# Altium PCB PCB2.PcbDoc (part 2 of 2)
Units mm, origin at the board's own origin, x right, y up, seen from the top; angles counter-clockwise.
Board outline 155 x 74.42 mm, 2 copper layers (Top Layer, Bottom Layer); 203 components, 228 nets, 626 pads, 108 vias.
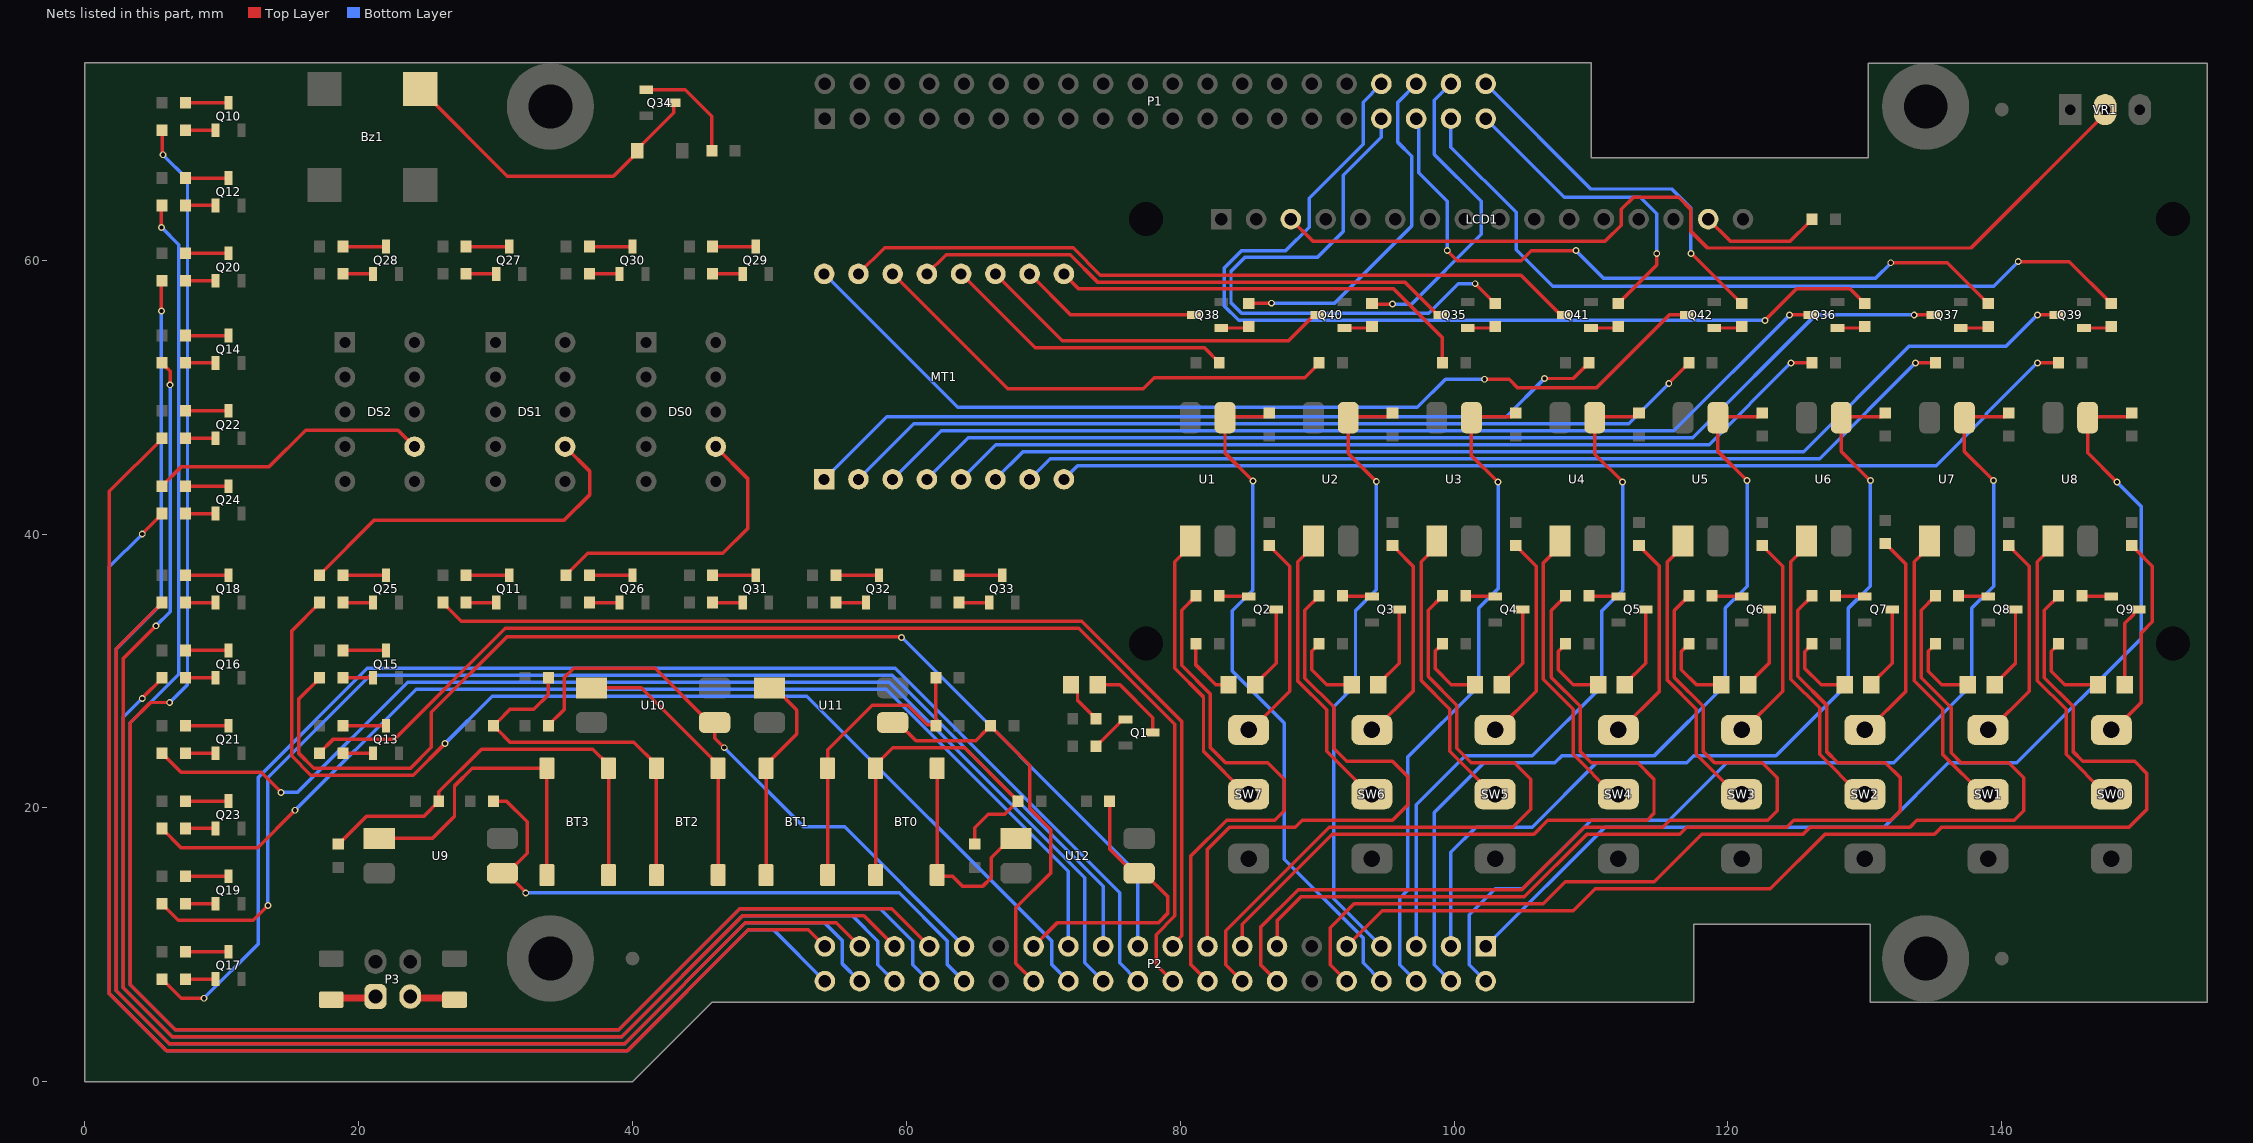
[diagram p2: the nets of this part, all layers, seen from the top]

## Via types
v1: diameter 0.5, hole 0.3, Top Layer to Bottom Layer, 84 vias
v2: diameter 0.8, hole 0.5, Top Layer to Bottom Layer, 21 vias
v3: diameter 0.6, hole 0.4, Top Layer to Bottom Layer, 3 vias

## Nets (pads, with @x,y where several pads share a name; then routed paths per layer and width w, separated by ;. In a path a pad name is that pad's centre, name@x,y a point inside that pad or via, vN(x,y) a via of type N, cw(c..) or ccw(c..) an arc to the next point about the centre after c; other vN are vias at no path point) (continued)
GPIO_0-28: P1.33 R101.1 | length 42.2
  Top Layer w0.254: v1(101.54,58.285) 102.975,56.85 R101.1@103,56.85
  Bottom Layer w0.254: P1.33@94.69,70.34 94.69,68.99 91.9,66.2 91.9,62.1 90,60.2 84.7,60.2 83.708,59.208 83.708,56.892 84.476,56.124 98.142,56.124 100.303,58.285 v1(101.54,58.285)
GPIO_0-29: P1.34 R102.1 | length 71.5
  Top Layer w0.254: v1(122.7,55.6) 125,57.9 128.925,57.9 129.975,56.85 R102.1@130,56.85
  Bottom Layer w0.254: P1.34@94.69,72.88 93.357,71.547 93.357,68.457 89.413,64.513 89.413,62.413 87.708,60.708 84.49,60.708 83.2,59.418 83.2,56.682 84.266,55.616 122.684,55.616 v1(122.7,55.6)
GPIO_0-30: P1.35 R103.1 | length 53.2
  Top Layer w0.254: v1(99.5,60.7) 100.235,59.965 104.9,59.965 105.635,60.7 v1(108.9,60.7) ; v1(131.886,59.813) 136.012,59.813 138.975,56.85 R103.1@139,56.85
  Bottom Layer w0.254: P1.35@97.23,70.34 97.415,70.155 97.415,66.385 99.5,64.3 v1(99.5,60.7) ; v1(108.9,60.7) 110.9,58.7 130.8,58.7 131.886,59.786 v1(131.886,59.813)
GPIO_0-31: P1.36 R104.1 | length 25.6
  Top Layer w0.254: R104.1@85,56.85 86.646,56.85 v1(86.657,56.861)
  Bottom Layer w0.254: v1(86.657,56.861) 91.268,56.861 96.907,62.5 96.907,67.593 95.9,68.6 95.9,71.55 P1.36@97.23,72.88
GPIO_0-32: P1.37 R105.1 | length 58.1
  Top Layer w0.254: v1(141.2,59.9) 144.925,59.9 147.975,56.85 R105.1@148,56.85
  Bottom Layer w0.254: P1.37@99.77,70.34 99.77,68.257 104.527,63.5 104.527,60.773 107.2,58.1 139.4,58.1 v1(141.2,59.9)
GPIO_0-33: P1.38 R106.1 | length 23
  Top Layer w0.254: R106.1@94,56.85 94.05,56.8 v1(95.5,56.8)
  Bottom Layer w0.254: v1(95.5,56.8) 96.9,56.8 101.987,61.887 101.987,64.299 98.563,67.723 98.563,71.673 P1.38@99.77,72.88
GPIO_0-34: P1.39 R107.1 | length 23.1
  Top Layer w0.254: R107.1@112,56.85 112.025,56.85 112.298,57.123 112.298,57.148 114.8,59.65 v1(114.8,60.5)
  Bottom Layer w0.254: P1.39@102.31,70.34 108.05,64.6 113.587,64.6 114.8,63.387 v1(114.8,60.5)
GPIO_0-35: P1.40 R108.1 | length 27.3
  Top Layer w0.254: v1(117.3,60.5) 117.325,60.5 120.975,56.85 R108.1@121,56.85
  Bottom Layer w0.254: P1.40@102.31,72.88 109.99,65.2 115.9,65.2 117.3,63.8 v1(117.3,60.5)
GPIO_1-0: P2.1 R34.2 U8.3 | length 78.3
  Top Layer w0.254: v1(148.4,43.8) 146.27,45.93 U8.3@146.27,48.5 146.347,48.577 149.227,48.577 R34.2@149.5,48.85
  Bottom Layer w0.254: P2.1@102.31,9.89 111.02,18.6 131.4,18.6 136.1,23.3 141.1,23.3 150.2,32.4 150.2,42 v1(148.4,43.8)
GPIO_1-1: P2.2 R33.2 U7.3 | length 73.4
  Top Layer w0.254: v1(139.4,43.9) 137.27,46.03 U7.3@137.27,48.5 137.347,48.577 140.227,48.577 R33.2@140.5,48.85
  Bottom Layer w0.254: P2.2@102.31,7.35 101.103,8.557 101.103,12.203 103,14.1 105,14.1 110.008,19.108 115.708,19.108 119.9,23.3 132.1,23.3 137.8,29 137.8,34.6 139.4,36.2 v1(139.4,43.9)
GPIO_1-2: P2.3 R30.2 U6.3 | length 65.3
  Top Layer w0.254: v1(130.4,43.9) 128.27,46.03 U6.3@128.27,48.5 128.347,48.577 131.227,48.577 R30.2@131.5,48.85
  Bottom Layer w0.254: P2.3@99.77,9.89 99.77,16.77 101.6,18.6 105.711,18.6 110.398,23.287 116.987,23.287 117.508,23.808 123.508,23.808 128.8,29.1 128.8,34.6 130.4,36.2 v1(130.4,43.9)
GPIO_1-3: P2.4 R29.2 U5.3 | length 62.3
  Top Layer w0.254: v1(121.4,43.9) 119.27,46.03 U5.3@119.27,48.5 119.347,48.577 122.227,48.577 R29.2@122.5,48.85
  Bottom Layer w0.254: P2.4@99.77,7.35 98.563,8.557 98.563,19.663 102.187,23.287 107.349,23.287 107.857,23.795 114.595,23.795 119.8,29 119.8,34.6 121.4,36.2 v1(121.4,43.9)
GPIO_1-4: P2.5 R26.2 U4.3 | length 51.9
  Top Layer w0.254: v1(112.303,43.811) 110.27,45.844 U4.3@110.27,48.5 110.347,48.577 113.227,48.577 R26.2@113.5,48.85
  Bottom Layer w0.254: P2.5@97.23,9.89 97.23,20.23 100.808,23.808 105.708,23.808 110.8,28.9 110.8,34.4 112.303,35.903 v1(112.303,43.811)
GPIO_1-5: P2.6 R25.2 U3.3 | length 48.8
  Top Layer w0.254: v1(103.21,43.811) 103.189,43.811 101.27,45.73 U3.3@101.27,48.5 101.347,48.577 104.227,48.577 R25.2@104.5,48.85
  Bottom Layer w0.254: P2.6@97.23,7.35 96.023,8.557 96.023,13.405 96.6,13.982 96.6,23.7 101.8,28.9 101.8,34.6 103.21,36.01 v1(103.21,43.811)
GPIO_1-6: P2.7 R22.2 U2.3 | length 45.6
  Top Layer w0.254: v1(94.32,43.836) 92.27,45.886 U2.3@92.27,48.5 92.347,48.577 95.227,48.577 R22.2@95.5,48.85
  Bottom Layer w0.254: v1(94.32,43.836) 94.32,35.92 92.8,34.4 92.8,29 91.2,27.4 91.2,13.38 P2.7@94.69,9.89
GPIO_1-7: P2.8 R21.2 U1.3 | length 50.5
  Top Layer w0.254: v1(85.303,43.887) 83.27,45.92 U1.3@83.27,48.5 83.347,48.577 86.227,48.577 R21.2@86.5,48.85
  Bottom Layer w0.254: v1(85.303,43.887) 85.303,35.903 83.8,34.4 83.8,30 87.6,26.2 87.6,16.262 93.357,10.505 93.357,8.683 P2.8@94.69,7.35
GPIO_1-8: P2.9 R18.1 | length 83.9
  Top Layer w0.254: P2.9@92.15,9.89 94.76,12.5 108.7,12.5 110.3,14.1 123.1,14.1 127.084,18.084 135.084,18.084 135.592,18.592 149.292,18.592 150.6,19.9 150.6,22.5 149.7,23.4 145.918,23.4 145.2,24.118 145.2,27.418 143.108,29.51 143.108,34.433 144.15,35.475 R18.1@144.15,35.5
GPIO_1-9: P2.10 R17.1 | length 79.9
  Top Layer w0.254: P2.10@92.15,7.35 90.943,8.557 90.943,11.261 92.69,13.008 106.508,13.008 108.108,14.608 114.608,14.608 118.084,18.084 125.484,18.084 125.992,18.592 133.292,18.592 133.8,19.1 140.9,19.1 141.6,19.8 141.6,22.2 140.5,23.3 137.018,23.3 136.3,24.018 136.3,27.318 134.108,29.51 134.108,34.433 135.15,35.475 R17.1@135.15,35.5
GPIO_1-10: P2.13 R14.1 | length 72
  Top Layer w0.254: P2.13@87.07,9.89 87.07,11.77 88.816,13.516 105.134,13.516 109.702,18.084 116.484,18.084 116.992,18.592 124.292,18.592 124.8,19.1 131.9,19.1 132.6,19.8 132.6,22.2 131.5,23.3 128.018,23.3 127.2,24.118 127.2,27.518 125.108,29.61 125.108,34.433 126.15,35.475 R14.1@126.15,35.5
GPIO_1-11: P2.14 R13.1 | length 67
  Top Layer w0.254: P2.14@87.07,7.35 85.863,8.557 85.863,11.281 88.606,14.024 104.924,14.024 109.492,18.592 115.242,18.592 115.75,19.1 122.9,19.1 123.6,19.8 123.6,22.2 122.5,23.3 119.018,23.3 118.2,24.118 118.2,27.418 116.092,29.526 116.092,34.417 117.15,35.475 R13.1@117.15,35.5
GPIO_1-12: P2.15 R10.1 | length 56.5
  Top Layer w0.254: P2.15@84.53,9.89 84.53,11.512 91.102,18.084 105.834,18.084 106.85,19.1 114.1,19.1 114.6,19.6 114.6,22.1 113.4,23.3 110.018,23.3 109.2,24.118 109.2,27.418 107.092,29.526 107.092,34.417 108.15,35.475 R10.1@108.15,35.5
GPIO_1-13: P2.16 R9.1 | length 51.1
  Top Layer w0.254: P2.16@84.53,7.35 83.323,8.557 83.323,11.023 90.892,18.592 104.292,18.592 105.6,19.9 105.6,22.1 104.4,23.3 101.247,23.3 100.2,24.347 100.2,27.5 98.1,29.6 98.1,34.425 99.15,35.475 R9.1@99.15,35.5
GPIO_1-14: P2.17 R6.1 | length 43.8
  Top Layer w0.254: P2.17@81.99,9.89 81.99,16.99 83.6,18.6 88.4,18.6 88.9,19.1 95.5,19.1 96.6,20.2 96.6,22.3 95.5,23.4 92.147,23.4 91.2,24.347 91.2,27.377 89.1,29.477 89.1,34.425 90.15,35.475 R6.1@90.15,35.5
GPIO_1-15: P2.18 R5.1 | length 38.9
  Top Layer w0.254: R5.1@81.15,35.5 81.15,35.475 80.108,34.433 80.108,30.41 82.208,28.31 82.208,24.4 83.308,23.3 86.4,23.3 87.6,22.1 87.6,19.8 86.908,19.108 83.39,19.108 80.783,16.501 80.783,8.557 P2.18@81.99,7.35
GPIO_1-16: P2.19 R37.1 | length 74.3
  Top Layer w0.254: R37.1@26.15,35 26.15,34.975 27.5,33.625 72.812,33.625 80.121,26.316 80.121,10.661 79.45,9.989 P2.19@79.45,9.89
GPIO_1-17: P2.20 R41.1 | length 89
  Top Layer w0.254: R41.1@17.15,24 17.15,24.025 18.125,25 22.6,25 30.717,33.117 72.601,33.117 79.613,26.105 79.613,12.113 78.243,10.743 78.243,8.557 P2.20@79.45,7.35
GPIO_1-18: P2.21 R45.1 | length 85.8
  Top Layer w0.254: R45.1@17.15,29.5 17.15,29.475 15.608,27.933 15.608,24.01 16.71,22.908 23.79,22.908 25.3,24.418 25.3,26.982 30.805,32.486 59.615,32.486 v1(59.649,32.453)
  Bottom Layer w0.254: v1(59.649,32.453) 76.91,15.192 P2.21@76.91,9.89
GPIO_1-19: P2.22 R49.1 | length 101.4
  Top Layer w0.254: R49.1@5.65,7.5 7.05,6.1 v1(8.7,6.1)
  Bottom Layer w0.254: v1(8.7,6.1) 12.684,10.084 12.684,22.246 20.638,30.2 59.174,30.2 75.577,13.797 75.577,8.683 P2.22@76.91,7.35
GPIO_1-20: P2.23 R53.1 | length 92.9
  Top Layer w0.254: R53.1@5.65,13 5.65,12.975 6.825,11.8 12.3,11.8 13.37,12.87 v1(13.37,12.873)
  Bottom Layer w0.254: v1(13.37,12.873) 13.37,22.213 20.849,29.692 58.963,29.692 74.37,14.285 P2.23@74.37,9.89
GPIO_1-21: P2.24 R57.1 | length 86
  Top Layer w0.254: R57.1@5.65,24 5.65,23.975 7.026,22.599 12.89,22.599 14.335,21.154 v1(14.335,21.128)
  Bottom Layer w0.254: v1(14.335,21.128) 15.528,21.128 23.584,29.184 58.753,29.184 73.037,14.9 73.037,8.683 P2.24@74.37,7.35
GPIO_1-22: P2.25 R61.1 | length 82.6
  Top Layer w0.254: R61.1@5.65,18.5 5.65,18.475 7.025,17.1 12.618,17.1 v1(15.351,19.833)
  Bottom Layer w0.254: v1(15.351,19.833) 24.194,28.676 58.542,28.676 71.83,15.388 P2.25@71.83,9.89
GPIO_1-23: P2.26 R65.1 | length 81.4
  Top Layer w0.254: R65.1@17.15,35 17.15,34.975 15.1,32.925 15.1,23.8 16.5,22.4 24,22.4 v1(26.308,24.708)
  Bottom Layer w0.254: v1(26.308,24.708) 29.768,28.168 52.719,28.168 70.6,10.287 70.6,8.58 P2.26@71.83,7.35
GPIO_1-24: P2.27 R92.2 U12.3 | length 21.2
  Top Layer w0.254: P2.27@69.29,9.89 71,11.6 78.382,11.6 79.105,12.324 79.105,13.506 77.381,15.23 U12.3@77,15.23 76.619,15.23 74.85,16.999 R92.2@74.85,20.5
GPIO_1-25: P2.28 R90.2 U11.3 | length 30.2
  Top Layer w0.254: U11.3@59,26.23 59.381,26.23 60.703,24.908 65.058,24.908 65.852,25.702 65.877,25.702 R90.2@66.15,25.975 ; R90.2@66.15,26 R90.2@66.15,25.975 ; P2.28@69.29,7.35 68,8.64 68,12.7 70.545,15.245 70.545,18.411 69,19.956 69,23.125 R90.2@66.15,25.975
GPIO_1-26: P2.31 R88.2 U10.3 | length 42.6
  Top Layer w0.254: R88.2@33.85,26 33.85,26.025 35,27.175 35,29.5 35.7,30.2 41.649,30.2 45.619,26.23 U10.3@46,26.23 46,25.1 v1(46.7,24.4)
  Bottom Layer w0.254: v1(46.7,24.4) 52.486,18.614 55.486,18.614 P2.31@64.21,9.89
GPIO_1-27: P2.32 R86.2 U9.3 | length 45.5
  Top Layer w0.254: R86.2@29.85,20.5 30.8,20.5 32.3,19 32.3,16.7 30.83,15.23 U9.3@30.826,15.23 ; U9.3@30.5,15.23 U9.3@30.826,15.23 ; v1(32.2,13.8) 32.2,13.856 U9.3@30.826,15.23
  Bottom Layer w0.254: v1(32.2,13.8) 59.467,13.8 63,10.267 63,8.56 P2.32@64.21,7.35
GPIO_1-28: P2.33 R35.1 | length 130.4
  Top Layer w0.254: R35.1@5.65,69.5 5.65,67.817 5.7,67.767 v1(5.7,67.7) ; v1(6.2,27.7) 4.8,27.7 3.324,26.224 3.324,7.076 6.6,3.8 39,3.8 47.824,12.624 58.936,12.624 P2.33@61.67,9.89
  Bottom Layer w0.254: v1(5.7,67.7) 7.5,65.9 ; v1(6.2,27.7) 7.5,29 7.5,65.9 ; 7.5,65.7 7.5,65.9
GPIO_1-29: P2.34 R38.1 | length 125.5
  Top Layer w0.254: v1(5.6,62.4) 5.6,63.95 R38.1@5.65,64
  Bottom Layer w0.254: v1(5.6,62.4) 6.862,61.138 6.862,29.77 3.324,26.232 3.324,7.076 6.6,3.8 39,3.8 47.824,12.624 58.103,12.624 60.463,10.264 60.463,8.557 P2.34@61.67,7.35
GPIO_1-30: P2.35 R42.1 | length 109.7
  Top Layer w0.254: v1(5.2,33.3) 2.816,30.916 2.816,6.866 6.39,3.292 39.21,3.292 48.034,12.116 56.904,12.116 P2.35@59.13,9.89 ; R42.1@5.65,52.5 5.923,52.227 5.923,52.201 6.231,51.893 v1(6.231,50.9)
  Bottom Layer w0.254: v1(5.2,33.3) 6.231,34.331 v1(6.231,50.9)
GPIO_1-31: P2.36 R46.1 | length 88.2
  Top Layer w0.254: v1(4.2,28) 4.2,28.025 5.65,29.475 R46.1@5.65,29.5
  Bottom Layer w0.254: v1(4.2,28) 2.816,26.616 2.816,6.866 6.39,3.292 39.21,3.292 48.034,12.116 50.721,12.116 50.729,12.108 56.079,12.108 57.923,10.264 57.923,8.557 P2.36@59.13,7.35
GPIO_1-32: P2.37 R50.1 | length 90
  Top Layer w0.254: R50.1@5.65,35 5.65,34.975 2.308,31.633 2.308,6.655 6.179,2.784 39.421,2.784 48.245,11.608 54.872,11.608 P2.37@56.59,9.89
GPIO_1-33: P2.38 R54.1 | length 115.5
  Top Layer w0.254: v1(5.6,56.3) 5.6,58.45 R54.1@5.65,58.5
  Bottom Layer w0.254: v1(5.6,56.3) 5.6,34.9 2.308,31.608 2.308,6.655 6.179,2.784 39.421,2.784 48.245,11.608 50.51,11.608 50.518,11.6 54.047,11.6 55.3,10.347 55.3,8.64 P2.38@56.59,7.35
GPIO_1-34: P2.39 R58.1 | length 100.3
  Top Layer w0.254: R58.1@5.65,47 5.65,46.975 1.8,43.125 1.8,6.445 5.969,2.276 39.631,2.276 48.455,11.1 52.84,11.1 P2.39@54.05,9.89
GPIO_1-35: P2.40 R62.1 | length 95.8
  Top Layer w0.254: v1(4.2,40) 4.2,40.025 5.65,41.475 R62.1@5.65,41.5
  Bottom Layer w0.254: v1(4.2,40) 1.8,37.6 1.8,6.445 5.969,2.276 39.631,2.276 48.455,11.1 50.3,11.1 P2.40@54.05,7.35
NetBT0_1: BT0.1 C4.2 R91.2 | length 25.8
  Top Layer w0.254: BT0.1@57.75,15.1 BT0.1@57.75,22.9 57.75,23.15 59,24.4 64.25,24.4 67.852,20.798 67.877,20.798 68.15,20.525 R91.2@68.15,20.5 ; C4.2@65,17.35 65,18.555 65.973,19.528 67.178,19.528 67.852,20.202 67.877,20.202 68.143,20.468 R91.2@68.143,20.493
NetBT0_2: BT0.2 U12.1 | length 16.2
  Top Layer w0.254: BT0.2@62.25,22.9 BT0.2@62.25,15.1 62.331,15.019 63.371,15.019 64.094,14.296 65.596,14.296 66.2,14.9 66.2,16.351 67.619,17.77 U12.1@68,17.77
NetBT1_1: BT1.1 C3.2 R89.2 | length 22.5
  Top Layer w0.254: BT1.1@54.25,15.1 BT1.1@54.25,22.9 54.25,24.25 57.5,27.5 60.1,27.5 61.518,26.082 62.068,26.082 R89.2@62.15,26 ; R89.2@62.15,26.025 C3.2@62.15,29.5
NetBT1_2: BT1.2 U11.1 | length 15.7
  Top Layer w0.254: BT1.2@49.75,15.1 BT1.2@49.75,22.9 49.75,23.15 52,25.4 52,27.151 50.381,28.77 U11.1@50,28.77
NetBT2_1: BT2.1 C2.2 R87.2 | length 27.3
  Top Layer w0.254: C2.2@33.85,29.5 33.85,28.25 32.8,27.2 31.05,27.2 30.148,26.298 30.123,26.298 29.85,26.025 R87.2@29.85,26 29.85,25.975 30.123,25.702 30.148,25.702 31.05,24.8 40.1,24.8 41.75,23.15 BT2.1@41.75,22.9 BT2.1@41.75,15.1
NetBT2_2: BT2.2 U10.1 | length 19.6
  Top Layer w0.254: U10.1@37,28.77 40.63,28.77 46.25,23.15 BT2.2@46.25,22.9 BT2.2@46.25,15.1
NetBT3_1: BT3.1 C1.2 R85.2 | length 31.6
  Top Layer w0.254: C1.2@18.5,17.35 18.525,17.35 20.575,19.4 24.775,19.4 25.85,20.475 25.85,21.168 28.974,24.292 37.108,24.292 38.25,23.15 BT3.1@38.25,22.9 BT3.1@38.25,15.1
NetBT3_2: BT3.2 U9.1 | length 23.5
  Top Layer w0.254: U9.1@21.5,17.77 25.37,17.77 27,19.4 27,21.6 28.3,22.9 BT3.2@33.75,22.9 BT3.2@33.75,15.1
NetBz1_N: Bz1.N D10.1 Q34.3 | length 23.9
  Top Layer w0.254: Bz1.N@24.5,72.5 30.865,66.135 38.612,66.135 40.032,67.556 40.36,67.884 D10.1@40.36,68 40.36,68.117 43,70.757 Q34.3@43,71.5
NetD0_1: D0.1 R16.2 | length 6.1
  Top Layer w0.254: R16.2@144.15,32 144.15,31.975 143.616,31.441 143.616,29.984 144.6,29 D0.1@147.025,29
NetD0_2: D0.2 Q9.3 | length 6
  Top Layer w0.254: D0.2@148.975,29 148.975,33.475 149.627,34.127 149.627,34.327 149.8,34.5 Q9.3@150,34.5
NetD1_1: D1.1 R15.2 | length 5.6
  Top Layer w0.254: R15.2@135.15,32 135.15,31.975 134.616,31.441 134.616,29.984 135.6,29 D1.1@137.525,29
NetD1_2: D1.2 Q8.3 | length 6.1
  Top Layer w0.254: D1.2@139.475,29 139.475,29.05 141,30.575 Q8.3@141,34.5
NetD2_1: D2.1 R12.2 | length 5.4
  Top Layer w0.254: R12.2@126.15,32 125.877,31.727 125.877,31.677 125.616,31.416 125.616,30.184 126.8,29 D2.1@128.525,29
NetD2_2: D2.2 Q7.3 | length 6.1
  Top Layer w0.254: D2.2@130.475,29 130.475,29.05 132,30.575 Q7.3@132,34.5
NetD3_1: D3.1 R11.2 | length 5.5
  Top Layer w0.254: R11.2@117.15,32 117.15,31.975 116.6,31.425 116.6,30.1 117.7,29 D3.1@119.525,29
NetD3_2: D3.2 Q6.3 | length 6.1
  Top Layer w0.254: D3.2@121.475,29 121.475,29.05 123,30.575 Q6.3@123,34.5
NetD4_1: D4.1 R8.2 | length 5.5
  Top Layer w0.254: R8.2@108.15,32 108.15,31.975 107.6,31.425 107.6,30.1 108.7,29 D4.1@110.525,29
NetD4_2: D4.2 Q5.3 | length 6.1
  Top Layer w0.254: D4.2@112.475,29 112.475,29.05 114,30.575 Q5.3@114,34.5
NetD5_1: D5.1 R7.2 | length 5.4
  Top Layer w0.254: R7.2@99.15,32 99.15,31.975 98.608,31.433 98.608,30.192 99.8,29 D5.1@101.525,29
NetD5_2: D5.2 Q4.3 | length 6.1
  Top Layer w0.254: D5.2@103.475,29 103.475,29.05 105,30.575 Q4.3@105,34.5
NetD6_1: D6.1 R4.2 | length 5.5
  Top Layer w0.254: R4.2@90.15,32 90.15,31.975 89.608,31.433 89.608,30.092 90.7,29 D6.1@92.525,29
NetD6_2: D6.2 Q3.3 | length 6.1
  Top Layer w0.254: D6.2@94.475,29 94.475,29.05 96,30.575 Q3.3@96,34.5
NetD7_1: D7.1 R3.2 | length 4.5
  Top Layer w0.254: R3.2@81.15,32 81.15,30.437 82.587,29 D7.1@83.525,29
NetD7_2: D7.2 Q2.3 | length 6.1
  Top Layer w0.254: D7.2@85.475,29 85.475,29.05 87,30.575 Q2.3@87,34.5
NetD8_1: D8.1 R1.2 | length 3.3
  Top Layer w0.254: D8.1@72.025,29 72.498,28.527 72.498,27.877 73.85,26.525 R1.2@73.85,26.5
NetD8_2: D8.2 Q1.3 | length 6.1
  Top Layer w0.254: D8.2@73.975,29 75.6,29 78,26.6 Q1.3@78,25.5
NetF1_2: F1.2 P3.1 | length 3.3
  Top Layer w0.508: F1.2@18,5.99 18.12,6.11 21.11,6.11 P3.1@21.23,6.23
NetF2_2: F2.2 P3.3 | length 3.3
  Top Layer w0.508: P3.3@23.77,6.23 23.89,6.11 26.88,6.11 F2.2@27,5.99
NetLCD1_3: LCD1.3 VR1.2 | length 69
  Top Layer w0.254: LCD1.3@88.08,63 89.68,61.4 111.047,61.4 112.21,62.563 112.21,63.71 113.1,64.6 116.4,64.6 117.3,63.7 117.3,62.1 118.508,60.892 137.75,60.892 147.54,70.683 VR1.2@147.54,71
NetLCD1_15: LCD1.15 R83.2 | length 8.9
  Top Layer w0.254: LCD1.15@118.56,63 120.16,61.4 124.55,61.4 125.852,62.702 125.877,62.702 126.15,62.975 R83.2@126.15,63
NetMT1_1: MT1.1 R97.2 | length 59.4
  Top Layer w0.254: v1(106.6,51.361) 108.711,51.361 109.552,52.202 109.577,52.202 109.85,52.475 R97.2@109.85,52.5
  Bottom Layer w0.254: MT1.1@54,44 58.556,48.556 103.795,48.556 v1(106.6,51.361)
NetMT1_2: MT1.2 R99.2 | length 64.2
  Top Layer w0.254: v1(115.681,50.999) 115.681,51.006 117.15,52.475 R99.2@117.15,52.5
  Bottom Layer w0.254: MT1.2@56.5,44 60.548,48.048 112.756,48.048 115.681,50.973 v1(115.681,50.999)
NetMT1_3: MT1.3 Q36.3 | length 72
  Top Layer w0.254: v1(124.5,56) Q36.3@126,56
  Bottom Layer w0.254: MT1.3@59,44 62.54,47.54 116.04,47.54 v1(124.5,56)
NetMT1_4: MT1.4 Q37.3 | length 78.5
  Top Layer w0.254: v1(133.6,56) Q37.3@135,56
  Bottom Layer w0.254: MT1.4@61.5,44 64.532,47.032 117.424,47.032 126.392,56 v1(133.6,56)
NetMT1_5: MT1.5 R100.2 | length 65.7
  Top Layer w0.254: v1(124.6,52.5) R100.2@126.15,52.5
  Bottom Layer w0.254: MT1.5@64,44 66.524,46.524 118.624,46.524 v1(124.6,52.5)
NetMT1_6: MT1.6 Q39.3 | length 82.5
  Top Layer w0.254: v1(142.6,56) Q39.3@144,56
  Bottom Layer w0.254: MT1.6@66.5,44 68.516,46.016 125.524,46.016 133.208,53.7 140.3,53.7 v1(142.6,56)
NetMT1_7: MT1.7 R98.2 | length 69.7
  Top Layer w0.254: v1(133.7,52.5) R98.2@135.15,52.5
  Bottom Layer w0.254: MT1.7@69,44 70.508,45.508 126.708,45.508 v1(133.7,52.5)
NetMT1_8: MT1.8 R95.2 | length 76.2
  Top Layer w0.254: v1(142.6,52.5) R95.2@144.15,52.5
  Bottom Layer w0.254: MT1.8@71.5,44 72.5,45 135.2,45 138.876,48.676 138.876,48.776 v1(142.6,52.5)
NetMT1_9: MT1.9 R93.2 | length 31.4
  Top Layer w0.254: MT1.9@71.5,59 72.6,57.9 95.6,57.9 99.15,54.35 R93.2@99.15,52.5
NetMT1_10: MT1.10 Q38.3 | length 13.2
  Top Layer w0.254: MT1.10@69,59 72,56 Q38.3@81,56
NetMT1_11: MT1.11 Q40.3 | length 26.3
  Top Layer w0.254: MT1.11@66.5,59 71.392,54.108 87.908,54.108 89.8,56 Q40.3@90,56
NetMT1_12: MT1.12 R96.2 | length 21.6
  Top Layer w0.254: MT1.12@64,59 69.4,53.6 81.775,53.6 82.85,52.525 R96.2@82.85,52.5
NetMT1_13: MT1.13 Q35.3 | length 39.9
  Top Layer w0.254: MT1.13@61.5,59 62.9,60.4 71.963,60.4 73.955,58.408 96.392,58.408 98.8,56 Q35.3@99,56
NetMT1_14: MT1.14 R94.2 | length 35.4
  Top Layer w0.254: MT1.14@59,59 67.4,50.6 77.3,50.6 78.105,51.405 89.08,51.405 90.15,52.475 R94.2@90.15,52.5
NetMT1_15: MT1.15 Q41.3 | length 54.3
  Top Layer w0.254: MT1.15@56.5,59 58.408,60.908 72.174,60.908 74.166,58.916 104.884,58.916 107.8,56 Q41.3@108,56
NetMT1_16: MT1.16 Q42.3 | length 70.4
  Top Layer w0.254: v1(102.219,51.304) 104.023,51.304 104.658,50.669 110.376,50.669 115.708,56 Q42.3@117,56
  Bottom Layer w0.254: MT1.16@54,59 63.75,49.25 97.321,49.25 99.374,51.304 v1(102.219,51.304)
NetQ1_1: Q1.1 R2.2 | length 3
  Top Layer w0.254: R2.2@73.85,24.5 73.85,24.525 74.123,24.798 74.148,24.798 75.8,26.45 Q1.1@76,26.45
NetQ2_1: Q2.1 R5.2 | length 2.2
  Top Layer w0.254: R5.2@82.85,35.5 82.9,35.45 Q2.1@85,35.45
NetQ3_1: Q3.1 R6.2 | length 2.2
  Top Layer w0.254: R6.2@91.85,35.5 91.9,35.45 Q3.1@94,35.45
NetQ4_1: Q4.1 R9.2 | length 2.2
  Top Layer w0.254: R9.2@100.85,35.5 100.9,35.45 Q4.1@103,35.45
NetQ5_1: Q5.1 R10.2 | length 2.2
  Top Layer w0.254: R10.2@109.85,35.5 109.9,35.45 Q5.1@112,35.45
NetQ6_1: Q6.1 R13.2 | length 2.2
  Top Layer w0.254: R13.2@118.85,35.5 118.9,35.45 Q6.1@121,35.45
NetQ7_1: Q7.1 R14.2 | length 2.2
  Top Layer w0.254: R14.2@127.85,35.5 127.9,35.45 Q7.1@130,35.45
NetQ8_1: Q8.1 R17.2 | length 2.2
  Top Layer w0.254: R17.2@136.85,35.5 136.9,35.45 Q8.1@139,35.45
NetQ9_1: Q9.1 R18.2 | length 2.2
  Top Layer w0.254: R18.2@145.85,35.5 145.9,35.45 Q9.1@148,35.45
NetQ10_1: Q10.1 R35.2 | length 2.2
  Top Layer w0.254: R35.2@7.35,69.5 Q10.1@9.55,69.5
NetQ10_3: Q10.3 R36.1 | length 3.1
  Top Layer w0.254: R36.1@7.35,71.5 Q10.3@10.5,71.5
NetQ11_1: Q11.1 R37.2 | length 2.2
  Top Layer w0.254: R37.2@27.85,35 Q11.1@30.05,35
NetQ11_3: Q11.3 R39.1 | length 3.1
  Top Layer w0.254: R39.1@27.85,37 Q11.3@31,37
NetQ12_1: Q12.1 R38.2 | length 2.2
  Top Layer w0.254: R38.2@7.35,64 Q12.1@9.55,64
NetQ12_3: Q12.3 R40.1 | length 3.1
  Top Layer w0.254: R40.1@7.35,66 Q12.3@10.5,66
NetQ13_1: Q13.1 R41.2 | length 2.2
  Top Layer w0.254: R41.2@18.85,24 Q13.1@21.05,24
NetQ13_3: Q13.3 R43.1 | length 3.1
  Top Layer w0.254: R43.1@18.85,26 Q13.3@22,26
NetQ14_1: Q14.1 R42.2 | length 2.2
  Top Layer w0.254: R42.2@7.35,52.5 Q14.1@9.55,52.5
NetQ14_3: Q14.3 R44.1 | length 3.1
  Top Layer w0.254: R44.1@7.35,54.5 Q14.3@10.5,54.5
NetQ15_1: Q15.1 R45.2 | length 2.2
  Top Layer w0.254: R45.2@18.85,29.5 Q15.1@21.05,29.5
NetQ15_3: Q15.3 R47.1 | length 3.1
  Top Layer w0.254: R47.1@18.85,31.5 Q15.3@22,31.5
NetQ16_1: Q16.1 R46.2 | length 2.2
  Top Layer w0.254: R46.2@7.35,29.5 Q16.1@9.55,29.5
NetQ16_3: Q16.3 R48.1 | length 3.1
  Top Layer w0.254: R48.1@7.35,31.5 Q16.3@10.5,31.5
NetQ17_1: Q17.1 R49.2 | length 2.2
  Top Layer w0.254: R49.2@7.35,7.5 Q17.1@9.55,7.5
NetQ17_3: Q17.3 R51.1 | length 3.1
  Top Layer w0.254: R51.1@7.35,9.5 Q17.3@10.5,9.5
NetQ18_1: Q18.1 R50.2 | length 2.2
  Top Layer w0.254: R50.2@7.35,35 Q18.1@9.55,35
NetQ18_3: Q18.3 R52.1 | length 3.1
  Top Layer w0.254: R52.1@7.35,37 Q18.3@10.5,37
NetQ19_1: Q19.1 R53.2 | length 2.2
  Top Layer w0.254: R53.2@7.35,13 Q19.1@9.55,13
NetQ19_3: Q19.3 R55.1 | length 3.1
  Top Layer w0.254: R55.1@7.35,15 Q19.3@10.5,15
NetQ20_1: Q20.1 R54.2 | length 2.2
  Top Layer w0.254: R54.2@7.35,58.5 Q20.1@9.55,58.5
NetQ20_3: Q20.3 R56.1 | length 3.1
  Top Layer w0.254: R56.1@7.35,60.5 Q20.3@10.5,60.5
NetQ21_1: Q21.1 R57.2 | length 2.2
  Top Layer w0.254: R57.2@7.35,24 Q21.1@9.55,24
NetQ21_3: Q21.3 R59.1 | length 3.1
  Top Layer w0.254: R59.1@7.35,26 Q21.3@10.5,26
NetQ22_1: Q22.1 R58.2 | length 2.2
  Top Layer w0.254: R58.2@7.35,47 Q22.1@9.55,47
NetQ22_3: Q22.3 R60.1 | length 3.1
  Top Layer w0.254: R60.1@7.35,49 Q22.3@10.5,49
NetQ23_1: Q23.1 R61.2 | length 2.2
  Top Layer w0.254: R61.2@7.35,18.5 Q23.1@9.55,18.5
NetQ23_3: Q23.3 R63.1 | length 3.1
  Top Layer w0.254: R63.1@7.35,20.5 Q23.3@10.5,20.5
NetQ24_1: Q24.1 R62.2 | length 2.2
  Top Layer w0.254: R62.2@7.35,41.5 Q24.1@9.55,41.5
NetQ24_3: Q24.3 R64.1 | length 3.1
  Top Layer w0.254: R64.1@7.35,43.5 Q24.3@10.5,43.5
NetQ25_1: Q25.1 R65.2 | length 2.2
  Top Layer w0.254: R65.2@18.85,35 Q25.1@21.05,35
NetQ25_3: Q25.3 R66.1 | length 3.1
  Top Layer w0.254: R66.1@18.85,37 Q25.3@22,37
NetQ26_1: Q26.1 R67.2 | length 2.2
  Top Layer w0.254: R67.2@36.85,35 Q26.1@39.05,35
NetQ26_3: Q26.3 R68.1 | length 3.1
  Top Layer w0.254: R68.1@36.85,37 Q26.3@40,37
NetQ27_1: Q27.1 R69.2 | length 2.2
  Top Layer w0.254: R69.2@27.85,59 Q27.1@30.05,59
NetQ27_3: Q27.3 R70.1 | length 3.1
  Top Layer w0.254: R70.1@27.85,61 Q27.3@31,61
NetQ28_1: Q28.1 R71.2 | length 2.2
  Top Layer w0.254: R71.2@18.85,59 Q28.1@21.05,59
NetQ28_3: Q28.3 R72.1 | length 3.1
  Top Layer w0.254: R72.1@18.85,61 Q28.3@22,61
NetQ29_1: Q29.1 R73.2 | length 2.2
  Top Layer w0.254: R73.2@45.85,59 Q29.1@48.05,59
NetQ29_3: Q29.3 R74.1 | length 3.1
  Top Layer w0.254: R74.1@45.85,61 Q29.3@49,61
NetQ30_1: Q30.1 R75.2 | length 2.2
  Top Layer w0.254: R75.2@36.85,59 Q30.1@39.05,59
NetQ30_3: Q30.3 R76.1 | length 3.1
  Top Layer w0.254: R76.1@36.85,61 Q30.3@40,61
NetQ31_1: Q31.1 R77.2 | length 2.2
  Top Layer w0.254: R77.2@45.85,35 Q31.1@48.05,35
NetQ31_3: Q31.3 R78.1 | length 3.1
  Top Layer w0.254: R78.1@45.85,37 Q31.3@49,37
NetQ32_1: Q32.1 R79.2 | length 2.2
  Top Layer w0.254: R79.2@54.85,35 Q32.1@57.05,35
NetQ32_3: Q32.3 R80.1 | length 3.1
  Top Layer w0.254: R80.1@54.85,37 Q32.3@58,37
NetQ33_1: Q33.1 R81.2 | length 2.2
  Top Layer w0.254: R81.2@63.85,35 Q33.1@66.05,35
NetQ33_3: Q33.3 R82.1 | length 3.1
  Top Layer w0.254: R82.1@63.85,37 Q33.3@67,37
NetQ34_1: Q34.1 R84.2 | length 8.1
  Top Layer w0.254: Q34.1@41,72.45 43.85,72.45 45.8,70.5 R84.2@45.8,68
NetQ35_1: Q35.1 R101.2 | length 2
  Top Layer w0.254: Q35.1@101,55.05 102.9,55.05 R101.2@103,55.15
NetQ36_1: Q36.1 R102.2 | length 2
  Top Layer w0.254: Q36.1@128,55.05 129.9,55.05 R102.2@130,55.15
NetQ37_1: Q37.1 R103.2 | length 2
  Top Layer w0.254: Q37.1@137,55.05 138.9,55.05 R103.2@139,55.15
NetQ38_1: Q38.1 R104.2 | length 2
  Top Layer w0.254: Q38.1@83,55.05 84.9,55.05 R104.2@85,55.15
NetQ39_1: Q39.1 R105.2 | length 2
  Top Layer w0.254: Q39.1@146,55.05 147.9,55.05 R105.2@148,55.15
NetQ40_1: Q40.1 R106.2 | length 2
  Top Layer w0.254: Q40.1@92,55.05 93.9,55.05 R106.2@94,55.15
NetQ41_1: Q41.1 R107.2 | length 2
  Top Layer w0.254: Q41.1@110,55.05 111.9,55.05 R107.2@112,55.15
NetQ42_1: Q42.1 R108.2 | length 2
  Top Layer w0.254: Q42.1@119,55.05 120.9,55.05 R108.2@121,55.15
NetR19_2: R19.2 SW7.3 | length 15.4
  Top Layer w0.254: SW7.3@85,25.7 85.171,25.7 86.24,26.769 88,28.529 88,37.65 86.798,38.852 86.798,38.877 86.525,39.15 R19.2@86.5,39.15
NetR20_2: R20.2 SW6.3 | length 15.4
  Top Layer w0.254: SW6.3@94,25.7 94.171,25.7 97,28.529 97,37.65 95.798,38.852 95.798,38.877 95.525,39.15 R20.2@95.5,39.15
NetR23_2: R23.2 SW5.3 | length 15.4
  Top Layer w0.254: SW5.3@103,25.7 103.171,25.7 105.992,28.521 105.992,37.658 104.798,38.852 104.798,38.877 104.525,39.15 R23.2@104.5,39.15
NetR24_2: R24.2 SW4.3 | length 15.4
  Top Layer w0.254: SW4.3@112,25.7 112.171,25.7 115,28.529 115,37.65 113.798,38.852 113.798,38.877 113.525,39.15 R24.2@113.5,39.15
NetR27_2: R27.2 SW3.3 | length 15.4
  Top Layer w0.254: SW3.3@121,25.7 121.171,25.7 124,28.529 124,37.65 122.798,38.852 122.798,38.877 122.525,39.15 R27.2@122.5,39.15
NetR28_2: R28.2 SW2.3 | length 15.6
  Top Layer w0.254: SW2.3@130,25.7 130.171,25.7 133,28.529 133,37.8 131.798,39.002 131.798,39.027 131.525,39.3 R28.2@131.5,39.3
NetR31_2: R31.2 SW1.3 | length 15.4
  Top Layer w0.254: SW1.3@139,25.7 139.171,25.7 142,28.529 142,37.65 140.798,38.852 140.798,38.877 140.525,39.15 R31.2@140.5,39.15
NetR32_2: R32.2 SW0.3 | length 15.3
  Top Layer w0.254: SW0.3@148.171,25.7 150.2,27.729 150.2,32.8 151,33.6 151,37.65 149.798,38.852 149.798,38.877 149.525,39.15 R32.2@149.5,39.15
NetSW0_2: SW0.2 U8.1 | length 21.4
  Top Layer w0.254: U8.1@143.73,39.5 143.73,39.119 142.6,37.989 142.6,29.3 144.692,27.208 144.692,23.908 147.6,21 SW0.2@148,21
NetSW1_2: SW1.2 U7.1 | length 21.4
  Top Layer w0.254: U7.1@134.73,39.5 134.73,39.119 133.6,37.989 133.6,29.3 135.7,27.2 135.7,23.9 138.6,21 SW1.2@139,21
NetSW2_2: SW2.2 U6.1 | length 21.4
  Top Layer w0.254: U6.1@125.73,39.5 125.73,39.119 124.6,37.989 124.6,29.4 126.692,27.308 126.692,23.908 129.6,21 SW2.2@130,21
NetSW3_2: SW3.2 U5.1 | length 21.5
  Top Layer w0.254: U5.1@116.73,39.5 116.73,39.119 115.584,37.973 115.584,29.316 117.692,27.208 117.692,23.908 120.6,21 SW3.2@121,21
NetSW4_2: SW4.2 U4.1 | length 21.5
  Top Layer w0.254: U4.1@107.73,39.5 107.73,39.119 106.5,37.889 106.5,29.4 108.692,27.208 108.692,23.908 111.6,21 SW4.2@112,21
NetSW5_2: SW5.2 U3.1 | length 21.3
  Top Layer w0.254: U3.1@98.73,39.5 98.73,39.119 97.592,37.981 97.592,29.308 99.692,27.208 99.692,24.137 102.829,21 SW5.2@103,21
NetSW6_2: SW6.2 U2.1 | length 21.3
  Top Layer w0.254: U2.1@89.73,39.5 89.73,39.119 88.592,37.981 88.592,29.267 90.692,27.167 90.692,24.137 93.829,21 SW6.2@94,21
NetSW7_2: SW7.2 U1.1 | length 21.3
  Top Layer w0.254: U1.1@80.73,39.5 80.73,39.119 79.6,37.989 79.6,30.2 81.7,28.1 81.7,24.129 84.829,21 SW7.2@85,21
p1: DS2.7 R64.2 | length 20.6
  Top Layer w0.254: R64.2@5.65,43.5 5.65,43.525 7.025,44.9 13.437,44.9 16.124,47.587 22.873,47.587 DS2.7@24.08,46.38
p2: DS1.7 R66.2 | length 26.4
  Top Layer w0.254: R66.2@17.15,37 17.15,37.025 21.149,41.024 35.024,41.024 36.892,42.892 36.892,44.568 DS1.7@35.08,46.38
p3: DS0.7 R68.2 | length 21.6
  Top Layer w0.254: R68.2@35.15,37 35.15,37.025 36.725,38.6 46.6,38.6 48.4,40.4 48.4,44.06 DS0.7@46.08,46.38
pads on no net: Bz1.1 Bz1.2 FM1. FM2. FM3.

## Polygon pours and split planes (outlines as drawn)
GND on Bottom Layer "GND_L02_P003" (solid, pour order 3): 0,74.418 110,74.418 110,67.5 130.235,67.5 130.235,74.392 155,74.392 155,5.812 130.5,5.812 130.5,11.5 117.5,11.5 117.5,5.812 45.812,5.812 40,0 0,0
GND on Top Layer "GND_L01_P000" (solid, pour order 0): 0,74.418 110,74.418 110,67.5 130,67.5 130,74.5 155,74.5 155,5.5 130.4,5.5 130.4,11.5 117.5,11.5 117.5,5.812 45.812,5.812 40,0 0,0

## Keep-outs
Keep-Out Layer:
  the board outline again, w0.254

## Silkscreen, mask and mechanical layers (free items; w line width, h text height)
Top Overlay:
  text "GND" at 20.678,13.522 h1.07 r270
  text "GND" at 23.178,13.522 h1.07 r270
  text "+5" at 20.778,4.422 h1.07 r270
  text "+3." at 23.278,4.422 h1.07 r270
  text "3" at 23.278,1.622 h1.07 r270

## Text inside footprints (layer, text, board x,y; h text height)
Bz1: Top Overlay "-" at 26.578,72.005 h1.27; Top Overlay "+" at 26.426,64.893 h1.27
MT1: Top Overlay "C5" at 67.084,46.17 h1.14 r90; Top Overlay "C6" at 67.084,55.154 h1.14 r90; Top Overlay "R3" at 72.084,46.17 h1.14 r90; Top Overlay "R8" at 64.584,46.17 h1.14 r90; Top Overlay "R1" at 72.084,55.154 h1.14 r90; Top Overlay "C4" at 69.584,55.154 h1.14 r90; Top Overlay "C7" at 57.084,55.154 h1.14 r90; Top Overlay "C2" at 59.584,46.17 h1.14 r90; Top Overlay "C3" at 62.084,46.17 h1.14 r90; Top Overlay "C1" at 62.084,55.154 h1.14 r90; Top Overlay "R5" at 54.584,46.17 h1.14 r90; Top Overlay "C8" at 54.584,55.154 h1.14 r90; Top Overlay "R6" at 69.584,46.17 h1.14 r90; Top Overlay "R7" at 57.084,46.17 h1.14 r90; Top Overlay "R4" at 64.584,55.154 h1.14 r90; Top Overlay "R2" at 59.584,55.154 h1.14 r90
P1: Top Overlay "1" at 51.51,69.832 h1.07; Top Overlay "2" at 51.387,72.392 h1.07; Top Overlay "40" at 104.342,72.372 h1.07; Top Overlay "39" at 104.342,69.832 h1.07
P2: Top Overlay "39" at 52.018,10.398 h1.07 r180; Top Overlay "40" at 52.018,7.858 h1.07 r180; Top Overlay "2" at 104.973,7.838 h1.07 r180; Top Overlay "1" at 104.85,10.398 h1.07 r180